# KiCad board MegaXE-keyboard.kicad_pcb
title: Mega XE Keyboard; date: 2026-06-05; rev: 1; company: Decent Engineering
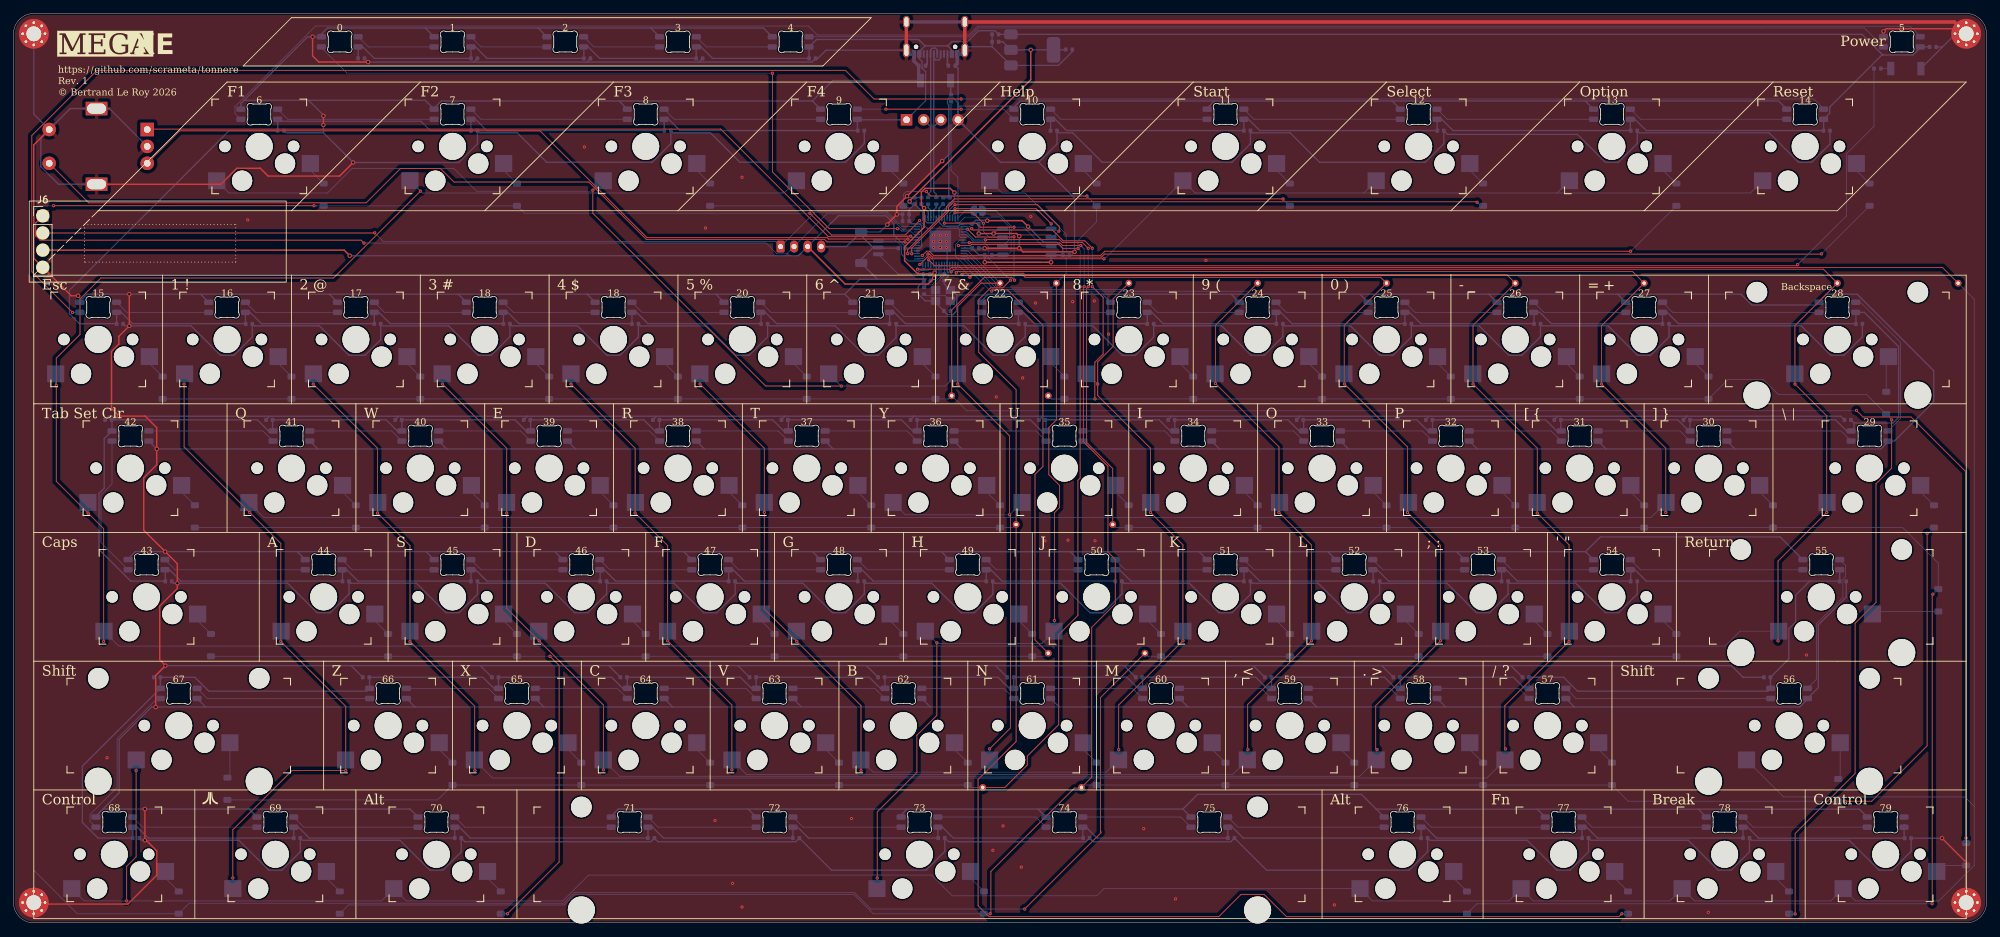
[diagram p0: board, top side]
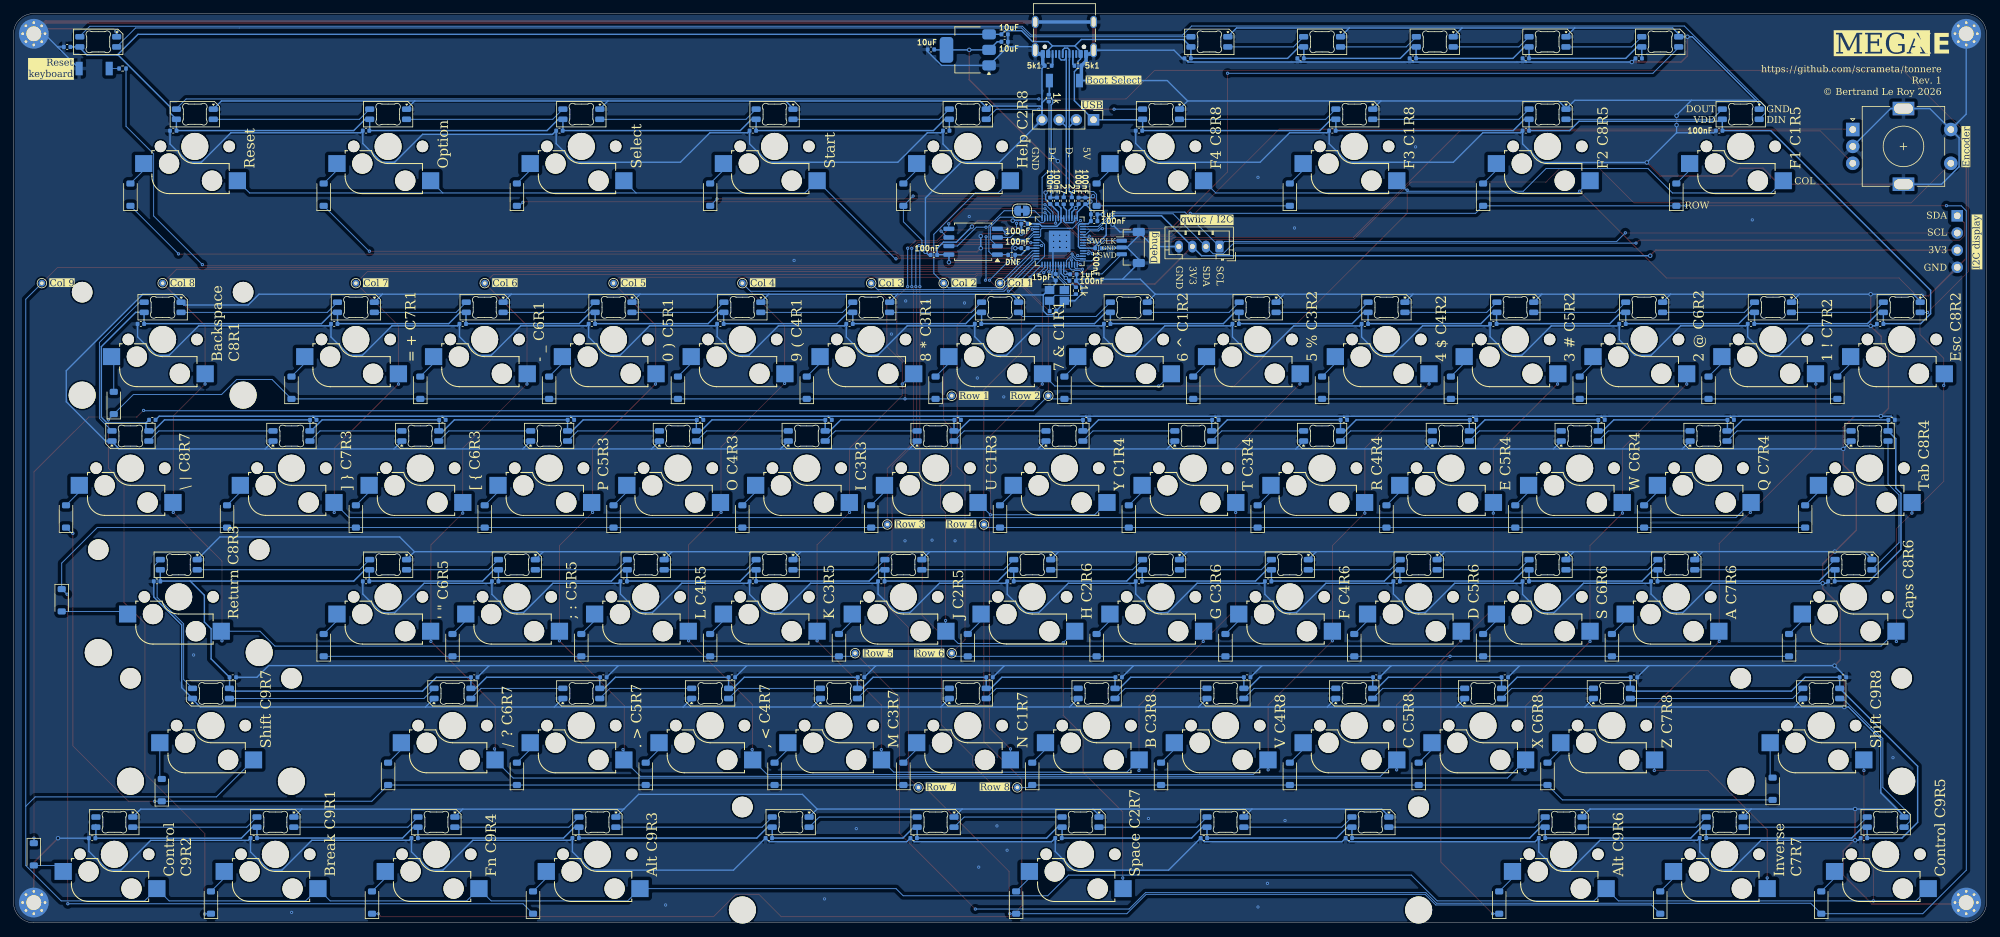
[diagram p1: board, bottom side, seen from below]

Outline 291.75 x 134.59 mm; copper layers: Top, Bottom. Coordinates in mm from the lower left corner of the outline.
Outline path: 0,131.59 0,3 arc(0.88,0.88) 3,0 288.75,0 arc(290.87,0.88) 291.75,3 291.75,131.59 arc(290.87,133.71) 288.75,134.59 3,134.59 arc(0.88,133.71) 0,131.59
Stack: Top 0.035mm / dielectric 1.51mm FR4 er 4.5 / Bottom 0.035mm

## Placement (name value [footprint] x y rotation side)
C4  100nF  [C_0402_1005Metric]  134.25 106.86 90 bottom
C5  1uF  [C_0402_1005Metric]  135.02 95.99 180 bottom
C6  100nF  [C_0402_1005Metric]  138.45 106.86 90 bottom
C7  100nF  [C_0402_1005Metric]  133.25 106.86 90 bottom
C8  100nF  [C_0402_1005Metric]  142.25 103.46 0 bottom
C9  100nF  [C_0402_1005Metric]  137.45 106.86 90 bottom
C10  100nF  [C_0402_1005Metric]  142.25 99.86 0 bottom
C11  100nF  [C_0402_1005Metric]  135.12 95.04 180 bottom
C12  100nF  [C_0402_1005Metric]  131.32 99.84 180 bottom
C13  100nF  [C_0402_1005Metric]  131.95 103.86 180 bottom
C14  1uF  [C_0402_1005Metric]  131.95 104.86 180 bottom
C24  15pF  [C_0402_1005Metric]  137.65 95.56 270 bottom
C25  15pF  [C_0402_1005Metric]  138.05 90.56 0 bottom
C27  10uF  [C_0402_1005Metric]  145.19 130.41 180 bottom
C28  10uF  [C_0402_1005Metric]  156.09 129.26 0 bottom
C42  100nF  [C_0402_1005Metric]  155.65 98.86 0 bottom
C43  10uF  [C_0402_1005Metric]  145.19 131.51 0 bottom
C75  100nF  [C_0402_1005Metric]  283.82 129.64 0 bottom
C76  100nF  [C_0402_1005Metric]  149.12 88.64 0 bottom
C77  100nF  [C_0402_1005Metric]  130.02 88.64 0 bottom
C78  100nF  [C_0402_1005Metric]  152.12 74.44 180 bottom
C79  100nF  [C_0402_1005Metric]  133.12 74.44 180 bottom
C80  100nF  [C_0402_1005Metric]  39.53 117.24 0 bottom
C81  100nF  [C_0402_1005Metric]  147.43 36.34 180 bottom
C82  100nF  [C_0402_1005Metric]  163.43 50.54 0 bottom
C83  100nF  [C_0402_1005Metric]  144.32 50.54 0 bottom
C84  100nF  [C_0402_1005Metric]  137.23 12.54 0 bottom
C85  100nF  [C_0402_1005Metric]  96.73 117.24 0 bottom
C86  100nF  [C_0402_1005Metric]  153.82 117.24 0 bottom
C87  100nF  [C_0402_1005Metric]  128.32 36.34 180 bottom
C88  100nF  [C_0402_1005Metric]  166.43 36.34 180 bottom
C89  100nF  [C_0402_1005Metric]  125.33 50.54 0 bottom
C90  100nF  [C_0402_1005Metric]  182.43 50.54 0 bottom
C91  100nF  [C_0402_1005Metric]  114.02 74.44 180 bottom
C92  100nF  [C_0402_1005Metric]  171.23 74.44 180 bottom
C93  100nF  [C_0402_1005Metric]  111.02 88.64 0 bottom
C94  100nF  [C_0402_1005Metric]  168.12 88.64 0 bottom
C95  100nF  [C_0402_1005Metric]  187.23 88.64 0 bottom
C96  100nF  [C_0402_1005Metric]  91.92 88.64 0 bottom
C97  100nF  [C_0402_1005Metric]  190.23 74.44 180 bottom
C98  100nF  [C_0402_1005Metric]  95.02 74.44 180 bottom
C99  100nF  [C_0402_1005Metric]  201.52 50.54 0 bottom
C100  100nF  [C_0402_1005Metric]  106.23 50.54 0 bottom
C101  100nF  [C_0402_1005Metric]  185.52 36.34 180 bottom
C102  100nF  [C_0402_1005Metric]  109.33 36.34 180 bottom
C103  100nF  [C_0402_1005Metric]  72.92 88.64 0 bottom
C104  100nF  [C_0402_1005Metric]  206.23 88.64 0 bottom
C105  100nF  [C_0402_1005Metric]  204.52 36.34 180 bottom
C106  100nF  [C_0402_1005Metric]  209.32 74.44 180 bottom
C107  100nF  [C_0402_1005Metric]  87.23 50.54 0 bottom
C108  100nF  [C_0402_1005Metric]  220.52 50.54 0 bottom
C109  100nF  [C_0402_1005Metric]  75.92 74.44 180 bottom
C110  100nF  [C_0402_1005Metric]  90.23 36.34 180 bottom
C111  100nF  [C_0402_1005Metric]  225.32 88.64 0 bottom
C112  100nF  [C_0402_1005Metric]  53.83 88.64 0 bottom
C113  100nF  [C_0402_1005Metric]  71.22 36.34 180 bottom
C114  100nF  [C_0402_1005Metric]  68.12 50.54 0 bottom
C115  100nF  [C_0402_1005Metric]  56.92 74.44 180 bottom
C116  100nF  [C_0402_1005Metric]  228.32 74.44 180 bottom
C117  100nF  [C_0402_1005Metric]  223.62 36.34 180 bottom
C118  100nF  [C_0402_1005Metric]  239.62 50.54 0 bottom
C119  100nF  [C_0402_1005Metric]  34.83 88.64 0 bottom
C120  100nF  [C_0402_1005Metric]  247.43 74.44 180 bottom
C121  100nF  [C_0402_1005Metric]  244.32 88.64 0 bottom
C123  100nF  [C_0402_1005Metric]  49.12 50.54 0 bottom
C124  100nF  [C_0402_1005Metric]  41.92 12.54 0 bottom
C125  100nF  [C_0402_1005Metric]  37.83 74.44 180 bottom
C126  100nF  [C_0402_1005Metric]  52.12 36.34 180 bottom
C127  100nF  [C_0402_1005Metric]  15.73 88.64 0 bottom
C128  100nF  [C_0402_1005Metric]  22.92 50.54 0 bottom
C129  100nF  [C_0402_1005Metric]  270.52 50.54 0 bottom
C130  100nF  [C_0402_1005Metric]  272.93 88.64 0 bottom
C131  100nF  [C_0402_1005Metric]  18.12 12.54 0 bottom
C132  100nF  [C_0402_1005Metric]  14.02 74.44 180 bottom
C133  100nF  [C_0402_1005Metric]  68.12 117.24 0 bottom
C134  100nF  [C_0402_1005Metric]  125.33 117.24 0 bottom
C135  100nF  [C_0402_1005Metric]  21.23 36.34 180 bottom
C136  100nF  [C_0402_1005Metric]  256.22 12.54 0 bottom
C137  100nF  [C_0402_1005Metric]  268.12 117.24 0 bottom
C138  100nF  [C_0402_1005Metric]  239.62 117.24 0 bottom
C139  100nF  [C_0402_1005Metric]  211.02 117.24 0 bottom
C140  100nF  [C_0402_1005Metric]  182.43 117.24 0 bottom
C141  100nF  [C_0402_1005Metric]  259.32 36.34 180 bottom
C142  100nF  [C_0402_1005Metric]  51.42 127.94 0 bottom
C143  100nF  [C_0402_1005Metric]  68.12 127.94 0 bottom
C144  100nF  [C_0402_1005Metric]  84.83 127.94 0 bottom
C145  100nF  [C_0402_1005Metric]  101.42 127.94 0 bottom
C146  100nF  [C_0402_1005Metric]  118.13 127.94 0 bottom
C147  100nF  [C_0402_1005Metric]  94.29 12.54 0 bottom
C148  100nF  [C_0402_1005Metric]  115.73 12.54 0 bottom
C149  100nF  [C_0402_1005Metric]  158.64 12.54 0 bottom
C150  100nF  [C_0402_1005Metric]  180.06 12.54 0 bottom
C151  100nF  [C_0402_1005Metric]  280.12 12.52 0 bottom
C152  100nF  [C_0402_1005Metric]  232.43 12.54 0 bottom
C153  100nF  [C_0402_1005Metric]  65.72 12.54 0 bottom
C154  100nF  [C_0402_1005Metric]  208.62 12.54 0 bottom
C155  100nF  [C_0402_1005Metric]  271.22 74.44 180 bottom
D17  1N4148W  [D_SOD-123]  155.4 79.2 90 bottom
D18  1N4148W  [D_SOD-123]  136.35 79.2 90 bottom
D19  1N4148W  [D_SOD-123]  164.93 60.15 90 bottom
D20  1N4148W  [D_SOD-123]  145.88 60.15 90 bottom
D21  1N4148W  [D_SOD-123]  45.86 107.77 90 bottom
D22  1N4148W  [D_SOD-123]  160.16 22.05 90 bottom
D23  1N4148W  [D_SOD-123]  169.69 41.1 90 bottom
D24  1N4148W  [D_SOD-123]  150.64 41.1 90 bottom
D25  1N4148W  [D_SOD-123]  143.49 3 90 bottom
D26  1N4148W  [D_SOD-123]  103.01 107.77 90 bottom
D27  1N4148W  [D_SOD-123]  160.16 107.77 90 bottom
D28  1N4148W  [D_SOD-123]  141.11 22.05 90 bottom
D29  1N4148W  [D_SOD-123]  179.21 22.05 90 bottom
D30  1N4148W  [D_SOD-123]  131.59 41.1 90 bottom
D31  1N4148W  [D_SOD-123]  188.74 41.1 90 bottom
D47  1N4148W  [D_SOD-123]  126.83 60.15 90 bottom
D49  1N4148W  [D_SOD-123]  183.98 60.15 90 bottom
D51  1N4148W  [D_SOD-123]  117.3 79.2 90 bottom
D53  1N4148W  [D_SOD-123]  174.45 79.2 90 bottom
D55  1N4148W  [D_SOD-123]  193.5 79.2 90 bottom
D57  1N4148W  [D_SOD-123]  98.25 79.2 90 bottom
D59  1N4148W  [D_SOD-123]  203.02 60.15 90 bottom
D61  1N4148W  [D_SOD-123]  107.77 60.15 90 bottom
D63  1N4148W  [D_SOD-123]  207.79 41.1 90 bottom
D65  1N4148W  [D_SOD-123]  112.54 41.1 90 bottom
D67  1N4148W  [D_SOD-123]  198.26 22.05 90 bottom
D69  1N4148W  [D_SOD-123]  122.06 22.05 90 bottom
D71  1N4148W  [D_SOD-123]  212.55 79.2 90 bottom
D73  1N4148W  [D_SOD-123]  79.2 79.2 90 bottom
D75  1N4148W  [D_SOD-123]  222.07 60.15 90 bottom
D77  1N4148W  [D_SOD-123]  88.73 60.15 90 bottom
D79  1N4148W  [D_SOD-123]  226.84 41.1 90 bottom
D81  1N4148W  [D_SOD-123]  93.49 41.1 90 bottom
D83  1N4148W  [D_SOD-123]  217.31 22.05 90 bottom
D85  1N4148W  [D_SOD-123]  103.01 22.05 90 bottom
D87  1N4148W  [D_SOD-123]  60.15 79.2 90 bottom
D89  1N4148W  [D_SOD-123]  231.6 79.2 90 bottom
D91  1N4148W  [D_SOD-123]  236.36 22.05 90 bottom
D93  1N4148W  [D_SOD-123]  241.12 60.15 90 bottom
D95  1N4148W  [D_SOD-123]  74.44 41.1 90 bottom
D97  1N4148W  [D_SOD-123]  245.89 41.1 90 bottom
D99  1N4148W  [D_SOD-123]  69.67 60.15 90 bottom
D101  1N4148W  [D_SOD-123]  83.96 22.05 90 bottom
D103  1N4148W  [D_SOD-123]  250.65 79.2 90 bottom
D105  1N4148W  [D_SOD-123]  41.1 79.2 90 bottom
D107  1N4148W  [D_SOD-123]  64.91 22.05 90 bottom
D109  1N4148W  [D_SOD-123]  55.39 41.1 90 bottom
D111  1N4148W  [D_SOD-123]  50.62 60.15 90 bottom
D113  1N4148W  [D_SOD-123]  260.18 60.15 90 bottom
D115  1N4148W  [D_SOD-123]  48.24 3 90 bottom
D119  1N4148W  [D_SOD-123]  22.05 79.2 90 bottom
D121  1N4148W  [D_SOD-123]  284.62 47.74 270 bottom
D123  1N4148W  [D_SOD-123]  276.93 76.94 90 bottom
D125  1N4148W  [D_SOD-123]  74.44 107.77 90 bottom
D127  1N4148W  [D_SOD-123]  29.19 41.1 90 bottom
D128  1N4148W  [D_SOD-123]  283.99 60.15 90 bottom
D129  1N4148W  [D_SOD-123]  24.43 3 90 bottom
D130  1N4148W  [D_SOD-123]  288.75 10.14 270 bottom
D131  1N4148W  [D_SOD-123]  26.81 60.15 90 bottom
D132  1N4148W  [D_SOD-123]  72.06 3 90 bottom
D133  1N4148W  [D_SOD-123]  131.59 107.77 90 bottom
D134  1N4148W  [D_SOD-123]  214.93 3 90 bottom
D135  1N4148W  [D_SOD-123]  31.62 19.84 90 bottom
D137  1N4148W  [D_SOD-123]  262.56 3 90 bottom
D139  1N4148W  [D_SOD-123]  274.46 107.77 90 bottom
D141  1N4148W  [D_SOD-123]  245.89 107.77 90 bottom
D143  1N4148W  [D_SOD-123]  217.31 107.77 90 bottom
D145  1N4148W  [D_SOD-123]  188.74 107.77 90 bottom
D147  1N4148W  [D_SOD-123]  269.82 19.64 90 bottom
D148  1N4148W  [D_SOD-123]  238.74 3 90 bottom
D149  SK6812MINI  [LED_SK6812MINI-E_3.2x2.8mm_P1.5mm_ReverseMount]  279.22 130.4 0 bottom
D150  SK6812MINI  [LED_SK6812MINI-E_3.2x2.8mm_P1.5mm_ReverseMount]  145.88 91.11 0 bottom
D151  SK6812MINI  [LED_SK6812MINI-E_3.2x2.8mm_P1.5mm_ReverseMount]  126.83 91.11 0 bottom
D152  SK6812MINI  [LED_SK6812MINI-E_3.2x2.8mm_P1.5mm_ReverseMount]  155.4 72.06 180 bottom
D153  SK6812MINI  [LED_SK6812MINI-E_3.2x2.8mm_P1.5mm_ReverseMount]  136.35 72.06 180 bottom
D154  SK6812MINI  [LED_SK6812MINI-E_3.2x2.8mm_P1.5mm_ReverseMount]  36.34 119.68 0 bottom
D155  SK6812MINI  [LED_SK6812MINI-E_3.2x2.8mm_P1.5mm_ReverseMount]  150.64 33.96 180 bottom
D156  SK6812MINI  [LED_SK6812MINI-E_3.2x2.8mm_P1.5mm_ReverseMount]  160.16 53.01 0 bottom
D157  SK6812MINI  [LED_SK6812MINI-E_3.2x2.8mm_P1.5mm_ReverseMount]  141.11 53.01 0 bottom
D158  SK6812MINI  [LED_SK6812MINI-E_3.2x2.8mm_P1.5mm_ReverseMount]  133.97 14.91 0 bottom
D159  SK6812MINI  [LED_SK6812MINI-E_3.2x2.8mm_P1.5mm_ReverseMount]  93.49 119.68 0 bottom
D160  SK6812MINI  [LED_SK6812MINI-E_3.2x2.8mm_P1.5mm_ReverseMount]  150.64 119.68 0 bottom
D161  SK6812MINI  [LED_SK6812MINI-E_3.2x2.8mm_P1.5mm_ReverseMount]  131.59 33.96 180 bottom
D162  SK6812MINI  [LED_SK6812MINI-E_3.2x2.8mm_P1.5mm_ReverseMount]  169.69 33.96 180 bottom
D163  SK6812MINI  [LED_SK6812MINI-E_3.2x2.8mm_P1.5mm_ReverseMount]  122.06 53.01 0 bottom
D164  SK6812MINI  [LED_SK6812MINI-E_3.2x2.8mm_P1.5mm_ReverseMount]  179.21 53.01 0 bottom
D165  SK6812MINI  [LED_SK6812MINI-E_3.2x2.8mm_P1.5mm_ReverseMount]  117.3 72.06 180 bottom
D166  SK6812MINI  [LED_SK6812MINI-E_3.2x2.8mm_P1.5mm_ReverseMount]  174.45 72.06 180 bottom
D167  SK6812MINI  [LED_SK6812MINI-E_3.2x2.8mm_P1.5mm_ReverseMount]  107.77 91.11 0 bottom
D168  SK6812MINI  [LED_SK6812MINI-E_3.2x2.8mm_P1.5mm_ReverseMount]  164.93 91.11 0 bottom
D169  SK6812MINI  [LED_SK6812MINI-E_3.2x2.8mm_P1.5mm_ReverseMount]  183.98 91.11 0 bottom
D170  SK6812MINI  [LED_SK6812MINI-E_3.2x2.8mm_P1.5mm_ReverseMount]  88.73 91.11 0 bottom
D171  SK6812MINI  [LED_SK6812MINI-E_3.2x2.8mm_P1.5mm_ReverseMount]  193.5 72.06 180 bottom
D172  SK6812MINI  [LED_SK6812MINI-E_3.2x2.8mm_P1.5mm_ReverseMount]  98.25 72.06 180 bottom
D173  SK6812MINI  [LED_SK6812MINI-E_3.2x2.8mm_P1.5mm_ReverseMount]  198.26 53.01 0 bottom
D174  SK6812MINI  [LED_SK6812MINI-E_3.2x2.8mm_P1.5mm_ReverseMount]  103.01 53.01 0 bottom
D175  SK6812MINI  [LED_SK6812MINI-E_3.2x2.8mm_P1.5mm_ReverseMount]  188.74 33.96 180 bottom
D176  SK6812MINI  [LED_SK6812MINI-E_3.2x2.8mm_P1.5mm_ReverseMount]  112.54 33.96 180 bottom
D177  SK6812MINI  [LED_SK6812MINI-E_3.2x2.8mm_P1.5mm_ReverseMount]  69.67 91.11 0 bottom
D178  SK6812MINI  [LED_SK6812MINI-E_3.2x2.8mm_P1.5mm_ReverseMount]  203.02 91.11 0 bottom
D179  SK6812MINI  [LED_SK6812MINI-E_3.2x2.8mm_P1.5mm_ReverseMount]  207.79 33.96 180 bottom
D180  SK6812MINI  [LED_SK6812MINI-E_3.2x2.8mm_P1.5mm_ReverseMount]  212.55 72.06 180 bottom
D181  SK6812MINI  [LED_SK6812MINI-E_3.2x2.8mm_P1.5mm_ReverseMount]  83.96 53.01 0 bottom
D182  SK6812MINI  [LED_SK6812MINI-E_3.2x2.8mm_P1.5mm_ReverseMount]  217.31 53.01 0 bottom
D183  SK6812MINI  [LED_SK6812MINI-E_3.2x2.8mm_P1.5mm_ReverseMount]  79.2 72.06 180 bottom
D184  SK6812MINI  [LED_SK6812MINI-E_3.2x2.8mm_P1.5mm_ReverseMount]  93.49 33.96 180 bottom
D185  SK6812MINI  [LED_SK6812MINI-E_3.2x2.8mm_P1.5mm_ReverseMount]  222.07 91.11 0 bottom
D186  SK6812MINI  [LED_SK6812MINI-E_3.2x2.8mm_P1.5mm_ReverseMount]  50.62 91.11 0 bottom
D187  SK6812MINI  [LED_SK6812MINI-E_3.2x2.8mm_P1.5mm_ReverseMount]  74.44 33.96 180 bottom
D188  SK6812MINI  [LED_SK6812MINI-E_3.2x2.8mm_P1.5mm_ReverseMount]  64.91 53.01 0 bottom
D189  SK6812MINI  [LED_SK6812MINI-E_3.2x2.8mm_P1.5mm_ReverseMount]  60.15 72.06 180 bottom
D190  SK6812MINI  [LED_SK6812MINI-E_3.2x2.8mm_P1.5mm_ReverseMount]  231.6 72.06 180 bottom
D191  SK6812MINI  [LED_SK6812MINI-E_3.2x2.8mm_P1.5mm_ReverseMount]  226.84 33.96 180 bottom
D192  SK6812MINI  [LED_SK6812MINI-E_3.2x2.8mm_P1.5mm_ReverseMount]  236.36 53.01 0 bottom
D193  SK6812MINI  [LED_SK6812MINI-E_3.2x2.8mm_P1.5mm_ReverseMount]  31.58 91.11 0 bottom
D194  SK6812MINI  [LED_SK6812MINI-E_3.2x2.8mm_P1.5mm_ReverseMount]  250.65 72.06 180 bottom
D195  SK6812MINI  [LED_SK6812MINI-E_3.2x2.8mm_P1.5mm_ReverseMount]  241.12 91.11 0 bottom
D197  SK6812MINI  [LED_SK6812MINI-E_3.2x2.8mm_P1.5mm_ReverseMount]  45.86 53.01 0 bottom
D198  SK6812MINI  [LED_SK6812MINI-E_3.2x2.8mm_P1.5mm_ReverseMount]  38.72 14.91 0 bottom
D199  SK6812MINI  [LED_SK6812MINI-E_3.2x2.8mm_P1.5mm_ReverseMount]  41.1 72.06 180 bottom
D200  SK6812MINI  [LED_SK6812MINI-E_3.2x2.8mm_P1.5mm_ReverseMount]  55.39 33.96 180 bottom
D201  SK6812MINI  [LED_SK6812MINI-E_3.2x2.8mm_P1.5mm_ReverseMount]  12.52 91.11 0 bottom
D202  SK6812MINI  [LED_SK6812MINI-E_3.2x2.8mm_P1.5mm_ReverseMount]  19.67 53.01 0 bottom
D203  SK6812MINI  [LED_SK6812MINI-E_3.2x2.8mm_P1.5mm_ReverseMount]  267.32 53.01 0 bottom
D204  SK6812MINI  [LED_SK6812MINI-E_3.2x2.8mm_P1.5mm_ReverseMount]  269.7 91.11 0 bottom
D205  SK6812MINI  [LED_SK6812MINI-E_3.2x2.8mm_P1.5mm_ReverseMount]  14.91 14.91 0 bottom
D206  SK6812MINI  [LED_SK6812MINI-E_3.2x2.8mm_P1.5mm_ReverseMount]  17.29 72.06 180 bottom
D207  SK6812MINI  [LED_SK6812MINI-E_3.2x2.8mm_P1.5mm_ReverseMount]  64.91 119.68 0 bottom
D208  SK6812MINI  [LED_SK6812MINI-E_3.2x2.8mm_P1.5mm_ReverseMount]  122.06 119.68 0 bottom
D209  SK6812MINI  [LED_SK6812MINI-E_3.2x2.8mm_P1.5mm_ReverseMount]  24.43 33.96 180 bottom
D210  SK6812MINI  [LED_SK6812MINI-E_3.2x2.8mm_P1.5mm_ReverseMount]  253.03 14.91 0 bottom
D211  SK6812MINI  [LED_SK6812MINI-E_3.2x2.8mm_P1.5mm_ReverseMount]  264.94 119.68 0 bottom
D212  SK6812MINI  [LED_SK6812MINI-E_3.2x2.8mm_P1.5mm_ReverseMount]  236.36 119.68 0 bottom
D213  SK6812MINI  [LED_SK6812MINI-E_3.2x2.8mm_P1.5mm_ReverseMount]  207.79 119.68 0 bottom
D214  SK6812MINI  [LED_SK6812MINI-E_3.2x2.8mm_P1.5mm_ReverseMount]  179.21 119.68 0 bottom
D215  SK6812MINI  [LED_SK6812MINI-E_3.2x2.8mm_P1.5mm_ReverseMount]  262.56 33.96 180 bottom
D216  SK6812MINI  [LED_SK6812MINI-E_3.2x2.8mm_P1.5mm_ReverseMount]  48.24 130.4 0 bottom
D217  SK6812MINI  [LED_SK6812MINI-E_3.2x2.8mm_P1.5mm_ReverseMount]  64.91 130.4 0 bottom
D218  SK6812MINI  [LED_SK6812MINI-E_3.2x2.8mm_P1.5mm_ReverseMount]  81.58 130.4 0 bottom
D219  SK6812MINI  [LED_SK6812MINI-E_3.2x2.8mm_P1.5mm_ReverseMount]  98.25 130.4 0 bottom
D220  SK6812MINI  [LED_SK6812MINI-E_3.2x2.8mm_P1.5mm_ReverseMount]  114.92 130.4 0 bottom
D221  SK6812MINI  [LED_SK6812MINI-E_3.2x2.8mm_P1.5mm_ReverseMount]  91.11 14.91 0 bottom
D222  SK6812MINI  [LED_SK6812MINI-E_3.2x2.8mm_P1.5mm_ReverseMount]  112.54 14.91 0 bottom
D223  SK6812MINI  [LED_SK6812MINI-E_3.2x2.8mm_P1.5mm_ReverseMount]  155.4 14.91 0 bottom
D224  SK6812MINI  [LED_SK6812MINI-E_3.2x2.8mm_P1.5mm_ReverseMount]  176.83 14.91 0 bottom
D225  SK6812MINI  [LED_SK6812MINI-E_3.2x2.8mm_P1.5mm_ReverseMount]  276.84 14.91 0 bottom
D226  SK6812MINI  [LED_SK6812MINI-E_3.2x2.8mm_P1.5mm_ReverseMount]  229.22 14.91 0 bottom
D227  SK6812MINI  [LED_SK6812MINI-E_3.2x2.8mm_P1.5mm_ReverseMount]  62.53 14.91 0 bottom
D228  SK6812MINI  [LED_SK6812MINI-E_3.2x2.8mm_P1.5mm_ReverseMount]  205.41 14.91 0 bottom
D229  SK6812MINI  [LED_SK6812MINI-E_3.2x2.8mm_P1.5mm_ReverseMount]  274.46 72.06 180 bottom
H1  MountingHole_Pad  [MountingHole_2.2mm_M2_Pad_Via]  3 3 0 bottom  (not fitted)
H2  MountingHole_Pad  [MountingHole_2.2mm_M2_Pad_Via]  288.75 3 0 bottom  (not fitted)
H3  MountingHole_Pad  [MountingHole_2.2mm_M2_Pad_Via]  288.75 131.59 0 bottom  (not fitted)
H4  MountingHole_Pad  [MountingHole_2.2mm_M2_Pad_Via]  3 131.59 0 bottom  (not fitted)
J1  Conn_01x04_Socket  [JST_PH_B4B-PH-K_1x04_P2.00mm_Vertical]  113.42 100.09 0 bottom  (not fitted)
J4  Conn_01x04_Pin  [PinHeader_1x04_P2.54mm_Vertical]  132.05 118.86 270 bottom  (not fitted)
J5  USB_C_Receptacle_USB2.0_16P  [USB_C_Receptacle_C2765186]  136.35 132.26 0 bottom
J6  Conn_01x04  [PinHeader_1x04_P2.54mm_Vertical]  4.33 104.64 0 top  (not fitted)
J9  SM03B-SRSS-TB  [JST_SH_BM03B-SRSS-TB_1x03-1MP_P1.00mm_Vertical]  126.55 99.96 270 bottom  (not fitted)
R6  5k1  [R_0402_1005Metric]  138.75 126.86 0 bottom
R7  5k1  [R_0402_1005Metric]  134.35 126.86 180 bottom
R26  27  [R_0402_1005Metric]  136.45 106.86 270 bottom
R28  27  [R_0402_1005Metric]  135.25 106.86 270 bottom
R30  1k  [R_0402_1005Metric]  138.65 122.06 90 bottom
R31  1k  [R_0402_1005Metric]  134.65 93.56 90 bottom
R32  1k  [R_0402_1005Metric]  275.62 126.44 0 bottom
R36  DNF  [R_0402_1005Metric]  144.15 98.86 0 bottom  (not fitted)
R37  0  [SolderJumper-2_P1.3mm_Bridged_RoundedPad1.0x1.5mm]  142.62 105.39 0 bottom  (not fitted)
SW1  RotaryEncoder_Switch  [RotaryEncoder_Alps_EC11E-Switch_Vertical_H20mm]  19.77 117.42 180 bottom  (not fitted)
SW2  SW_BOOT_SELECT  [TactileSwitch]  136.35 124.66 0 bottom
SW3  SW_RESET  [TactileSwitch]  279.82 126.44 180 bottom
SW10  MX  [Kailh_socket_MX_1-00U]  145.88 86.34 0 top
SW11  MX  [Kailh_socket_MX_1-00U]  126.83 86.34 0 top
SW12  MX  [Kailh_socket_MX_1-00U]  155.4 67.29 0 top
SW13  MX  [Kailh_socket_MX_1-00U]  136.35 67.29 0 top
SW14  MX  [Kailh_socket_MX_1-00U]  36.34 114.92 0 top
SW15  MX  [Kailh_socket_MX_1-00U]  150.64 29.19 0 top
SW16  MX  [Kailh_socket_MX_1-00U]  160.16 48.24 0 top
SW17  MX  [Kailh_socket_MX_1-00U]  141.11 48.24 0 top
SW18  MX  [Kailh_socket_MX_6-25U]  133.97 10.14 0 top
SW19  MX  [Kailh_socket_MX_1-00U]  93.49 114.92 0 top
SW20  MX  [Kailh_socket_MX_1-00U]  150.64 114.92 0 top
SW21  MX  [Kailh_socket_MX_1-00U]  131.59 29.19 0 top
SW22  MX  [Kailh_socket_MX_1-00U]  169.69 29.19 0 top
SW23  MX  [Kailh_socket_MX_1-00U]  122.06 48.24 0 top
SW24  MX  [Kailh_socket_MX_1-00U]  179.21 48.24 0 top
SW25  MX  [Kailh_socket_MX_1-00U]  117.3 67.29 0 top
SW26  MX  [Kailh_socket_MX_1-00U]  174.45 67.29 0 top
SW27  MX  [Kailh_socket_MX_1-00U]  107.77 86.34 0 top
SW28  MX  [Kailh_socket_MX_1-00U]  164.93 86.34 0 top
SW29  MX  [Kailh_socket_MX_1-00U]  183.98 86.34 0 top
SW30  MX  [Kailh_socket_MX_1-00U]  88.73 86.34 0 top
SW31  MX  [Kailh_socket_MX_1-00U]  193.5 67.29 0 top
SW32  MX  [Kailh_socket_MX_1-00U]  98.25 67.29 0 top
SW33  MX  [Kailh_socket_MX_1-00U]  198.26 48.24 0 top
SW34  MX  [Kailh_socket_MX_1-00U]  103.01 48.24 0 top
SW35  MX  [Kailh_socket_MX_1-00U]  188.74 29.19 0 top
SW36  MX  [Kailh_socket_MX_1-00U]  112.54 29.19 0 top
SW37  MX  [Kailh_socket_MX_1-00U]  203.02 86.34 0 top
SW38  MX  [Kailh_socket_MX_1-00U]  69.67 86.34 0 top
SW39  MX  [Kailh_socket_MX_1-00U]  212.55 67.29 0 top
SW40  MX  [Kailh_socket_MX_1-00U]  79.2 67.29 0 top
SW41  MX  [Kailh_socket_MX_1-00U]  217.31 48.24 0 top
SW42  MX  [Kailh_socket_MX_1-00U]  83.96 48.24 0 top
SW43  MX  [Kailh_socket_MX_1-00U]  207.79 29.19 0 top
SW44  MX  [Kailh_socket_MX_1-00U]  93.49 29.19 0 top
SW45  MX  [Kailh_socket_MX_1-00U]  50.62 86.34 0 top
SW46  MX  [Kailh_socket_MX_1-00U]  222.07 86.34 0 top
SW47  MX  [Kailh_socket_MX_1-00U]  226.84 29.19 0 top
SW48  MX  [Kailh_socket_MX_1-00U]  231.6 67.29 0 top
SW49  MX  [Kailh_socket_MX_1-00U]  64.91 48.24 0 top
SW50  MX  [Kailh_socket_MX_1-00U]  236.36 48.24 0 top
SW51  MX  [Kailh_socket_MX_1-00U]  60.15 67.29 0 top
SW52  MX  [Kailh_socket_MX_1-00U]  74.44 29.19 0 top
SW53  MX  [Kailh_socket_MX_1-00U]  241.12 86.34 0 top
SW54  MX  [Kailh_socket_MX_1-00U]  31.58 86.34 0 top
SW55  MX  [Kailh_socket_MX_1-00U]  55.39 29.19 0 top
SW56  MX  [Kailh_socket_MX_1-00U]  45.86 48.24 0 top
SW57  MX  [Kailh_socket_MX_1-00U]  41.1 67.29 0 top
SW58  MX  [Kailh_socket_MX_1-00U]  250.65 67.29 0 top
SW59  MX  [Kailh_socket_MX_1-00U]  38.72 10.14 0 top
SW61  MX  [Kailh_socket_MX_1-00U]  12.52 86.34 0 top
SW62  MX  [Kailh_socket_MX_2-00U]  267.32 48.24 0 top
SW63  MX  [Kailh_socket_MX_2-00U]  269.7 86.34 0 top
SW64  MX  [Kailh_socket_MX_1-00U]  64.91 114.92 0 top
SW65  MX  [Kailh_socket_MX_1-00U]  19.67 48.24 0 top
SW66  MX  [Kailh_socket_MX_1-00U]  14.91 10.14 0 top
SW67  MX  [Kailh_socket_MX_1-00U]  17.29 67.29 0 top
SW68  MX  [Kailh_socket_MX_1-00U]  122.06 114.92 0 top
SW69  MX  [Kailh_socket_MX_2-00U]  24.43 29.19 0 top
SW70  MX  [Kailh_socket_MX_1-00U]  253.03 10.14 0 top
SW71  MX  [Kailh_socket_MX_1-00U]  264.94 114.92 0 top
SW72  MX  [Kailh_socket_MX_1-00U]  236.36 114.92 0 top
SW73  MX  [Kailh_socket_MX_1-00U]  207.79 114.92 0 top
SW74  MX  [Kailh_socket_MX_1-00U]  179.21 114.92 0 top
SW75  MX  [Kailh_socket_MX_2-00U]  262.56 29.19 0 top
SW76  MX  [Kailh_socket_MX_1-00U]  276.84 10.14 0 top
SW77  MX  [Kailh_socket_MX_1-00U]  229.22 10.14 0 top
SW78  MX  [Kailh_socket_MX_1-00U]  62.53 10.14 0 top
SW79  MX  [Kailh_socket_MX_1-00U]  205.41 10.14 0 top
SW80  MX  [Kailh_socket_MX_1-00U]  274.46 67.29 0 top
TP1  TestPoint  [TestPoint_THTPad_D1.0mm_Drill0.5mm]  145.88 94.68 0 bottom  (not fitted)
TP2  TestPoint  [TestPoint_THTPad_D1.0mm_Drill0.5mm]  154.21 94.68 0 bottom  (not fitted)
TP3  TestPoint  [TestPoint_THTPad_D1.0mm_Drill0.5mm]  164.93 94.68 0 bottom  (not fitted)
TP4  TestPoint  [TestPoint_THTPad_D1.0mm_Drill0.5mm]  183.98 94.68 0 bottom  (not fitted)
TP5  TestPoint  [TestPoint_THTPad_D1.0mm_Drill0.5mm]  203.02 94.68 0 bottom  (not fitted)
TP6  TestPoint  [TestPoint_THTPad_D1.0mm_Drill0.5mm]  222.07 94.68 0 bottom  (not fitted)
TP7  TestPoint  [TestPoint_THTPad_D1.0mm_Drill0.5mm]  241.12 94.68 90 bottom  (not fitted)
TP8  TestPoint  [TestPoint_THTPad_D1.0mm_Drill0.5mm]  269.7 94.68 90 bottom  (not fitted)
TP9  TestPoint  [TestPoint_THTPad_D1.0mm_Drill0.5mm]  287.56 94.68 90 bottom  (not fitted)
TP10  TestPoint  [TestPoint_THTPad_D1.0mm_Drill0.5mm]  153.02 78.01 90 bottom  (not fitted)
TP11  TestPoint  [TestPoint_THTPad_D1.0mm_Drill0.5mm]  138.73 78.01 90 bottom  (not fitted)
TP12  TestPoint  [TestPoint_THTPad_D1.0mm_Drill0.5mm]  162.54 58.96 90 bottom  (not fitted)
TP13  TestPoint  [TestPoint_THTPad_D1.0mm_Drill0.5mm]  148.26 58.96 90 bottom  (not fitted)
TP14  TestPoint  [TestPoint_THTPad_D1.0mm_Drill0.5mm]  167.31 39.91 90 bottom  (not fitted)
TP15  TestPoint  [TestPoint_THTPad_D1.0mm_Drill0.5mm]  153.02 39.91 90 bottom  (not fitted)
TP16  TestPoint  [TestPoint_THTPad_D1.0mm_Drill0.5mm]  157.93 20.04 90 bottom  (not fitted)
TP17  TestPoint  [TestPoint_THTPad_D1.0mm_Drill0.5mm]  143.32 20.04 90 bottom  (not fitted)
U4  NCP1117-3.3  [SOT-223-3_TabPin2]  150.64 129.21 0 bottom
U7  RP2040  [QFN-56-1EP_7x7mm_P0.4mm_EP3.2x3.2mm]  137.05 100.86 180 bottom
U9  W25Q128JVS  [SOIC-8_5.3x5.3mm_P1.27mm]  149.85 100.81 0 bottom
X1  12MHz  [Crystal_SMD_Abracon_ABM8AIG-4Pin_3.2x2.5mm]  137.45 92.86 0 bottom

## Library data of the parts
C4 C6 C42 = -: Basic: Basic; LCSC Part #: C1525; ki_fp_filters: C_*
C5 = -: Basic: Basic; LCSC Part #: C52923; ki_fp_filters: C_*
C7-C13 = -: Description: Unpolarized capacitor; Basic: Basic; LCSC Part #: C1525; ki_fp_filters: C_*
C14 = -: Description: Unpolarized capacitor; Basic: Basic; LCSC Part #: C52923; ki_fp_filters: C_*
C24 C25 = -: Description: Unpolarized capacitor; Basic: Basic; LCSC Part #: C1548; ki_fp_filters: C_*
C27 C28 = -: Basic: Basic; LCSC Part #: C15525; ki_fp_filters: C_*
C43 = -: Description: Unpolarized capacitor; LCSC Part #: C15525; ki_fp_filters: C_*
C75-C121 C123-C155 = -: Description: Unpolarized capacitor; LCSC Part #: C1525; ki_fp_filters: C_*
D17-D31 D47 D49 D51 D53 D55 D57 D59 D61 D63 D65 D67 D69 D71 D73 D75 D77 D79 D81 D83 D85 D87 D89 D91 D93 D95 D97 D99 D101 D103 D105 D107 D109 D111 D113 D115 D119 D121 D123 D125 D127-D135 D137 D139 D141 D143 D145 D147 D148 = -: Description: Diode; Sim.Device: D; Sim.Pins: 1=K 2=A; LCSC Part #: C81598; ki_fp_filters: TO-???* *_Diode_* *SingleDiode* D_*
D149-D195 D197-D229 = -: Datasheet: https://jlc-prod-smt.oss-eu-central-1.aliyuncs.com/smtDataManualFile/8716657378445373440-C5149201.pdf?response-content-disposition=attachment%3B%20filename%3DC5149201.pdf%3B%20filename%2A%3DUTF-8%27%27C5149201.pdf&x-oss-date=20260604T195653Z&x-oss-expires=3600&x-oss-security-token=CAISgAN1q6Ft5B2yfSjIr5rnDe%2F5h6h02fGfW1HcsFYmaelfp6rpszz2IHhMdHJsAOodtv0%2FmmhT6PkclqRLcbhpcmfjV%2BZHzLB8qeACnUZA4J7b16cNrbH4M4H6aXeirtuwDsz9SNTCALjPD3nPii50x5bjaDymRCbLGJaViJlhHLN1Ow6jdmhpCctxLAlvo9NgFxm3D%2Fu2NQPwiWf9FVdhvhEG6Vly8qOi2MaRmFy8yFTx0b0SvJ%2BjYMrmPctoN9JnSdC5mfdzau3a1TJ84gRD0a5wkaVA1zbDs5bfISEIuUzebreLqY03dV4mOvdqIcMe8qigz88fk%2FfIioH6xyxKOexoSCnFTOiiupCcQLPyao9jLu6iayqViY7QaIOTqQohZmkAMwVOasAsI3Ngh4zF97Qt0cVNkXO9gWfLI8DtuMleWhqD30JB3tHD0eS19jklBdzSlusJRAJJUVBflCeKEaRNSAd3WGhEfM2%2BBt4QT30w5N2u00S8OSMIc%2BkdiqKWD5sagAFWQNkecW6D1E4coUzPadT7SCc3f42V3X5rSfMFH84ElX%2BTmNGNYscgqDx0xyaTJyyrM%2BFQW4w%2FhWX4qrYQWwgwoGw%2BQzNTMlILHbcsYIbLhGAndRWnhNlBy%2F%2FsrfRbXWVyCjftSb4xwrnr%2BixQsq7hkcXqmYOc23lG%2B0BooZpCuSAA&x-oss-signature-version=OSS4-HMAC-SHA256&x-oss-credential=STS.NYRFUMjwUn3tYwmTVsefsHoBQ%2F20260604%2Feu-central-1%2Foss%2Faliyun_v4_request&x-oss-signature=308cc393ccf14e217d40e77425f0af2698ae85ff556a7073a219597c2343bdcb; Description: RGB LED with integrated controller; LCSC Part #: C5378731; FT Rotation Offset: 180; ki_fp_filters: LED*SK6812MINI*PLCC*3.5x3.5mm*P1.75mm*
H1-H4 = -: Description: Mounting Hole with connection; ki_fp_filters: MountingHole*Pad*
J1 = -: Description: Generic connector, single row, 01x04, script generated; LCSC Part #: C131334; ki_fp_filters: Connector*:*_1x??_*
J4 = -: Description: Generic connector, single row, 01x04, script generated; ki_fp_filters: Connector*:*_1x??_*
J5 = -: Datasheet: https://jlc-prod-smt.oss-eu-central-1.aliyuncs.com/smtDataManualFile/8588920841694691328-C2765186.pdf?response-content-disposition=attachment%3B%20filename%3DC2765186.pdf%3B%20filename%2A%3DUTF-8%27%27C2765186.pdf&x-oss-date=20260522T092841Z&x-oss-expires=3600&x-oss-security-token=CAISgAN1q6Ft5B2yfSjIr5n7CNLjiYhC7fPZSl%2Fbt1MzZu11npH7qDz2IHhMdHJsAOodtv0%2FmmhT6PkclqRLcbhpcmfjV%2BZHzLB8qbxVvRlN4J7b16cNrbH4M4H6aXeirtuwDsz9SNTCALjPD3nPii50x5bjaDymRCbLGJaViJlhHLN1Ow6jdmhpCctxLAlvo9NgFxm3D%2Fu2NQPwiWf9FVdhvhEG6Vly8qOi2MaRmFy8yFTx0b0SvJ%2BjYMrmPctoN9JnSdC5mfdzau3a1TJ84gRD0a5wkaVA1zbDs5bfISEIuUzebreLqY03dV4mOvdqIcMe8qigz88fk%2FfIioH6xyxKOexoSCnFTOiiupCcQLPyao9jLu6iayqViY7QaIOTqQohZmkAMwVOasAsI3Ngh4zF97Qt0cVNkXO9gWfLI8DtuMleWkrjT%2BJ3snSgc5lCkRRYwGs1287ugXlSQzo890KPDAEovaKCnZ2ZSfh7Y4sNknI6i%2Bfc2Se2MIkIJEAOIaKWD5sagAF9VHa2yWLnRC2lMXXtKR6fKhq%2BDN1Cyd7Fp1UoMqt9myP%2FiInEPA3E0Iu5IVXwPRtXuQGqn6A87%2FpA4DikihCCgjE%2FEX%2BCGRbyyrNoY30RF7T9Zz6%2BsPgDuD3vUwLeBU%2B2TFUtGtIIPZHXO0pE7kGc%2FkqDYPG5IqY%2BEC4jgN1tkSAA&x-oss-signature-version=OSS4-HMAC-SHA256&x-oss-credential=STS.NZNChWdWcZ12HyjSSfjbYqTPJ%2F20260522%2Feu-central-1%2Foss%2Faliyun_v4_request&x-oss-signature=7cf0e9c4fc49eb3a012f1d2fcab9be04005cb5739cdac5af89afb09628bb9fab; Description: USB 2.0-only 16P Type-C Receptacle connector; FT Position Offset: 0,1.3; LCSC Part #: C2765186; ki_fp_filters: USB*C*Receptacle*